# Altium PCB ESP32_LED_Matrix_Completed.PcbDoc (part 1 of 2)
Units mm, origin at the board's own origin, x right, y up, seen from the top; angles counter-clockwise.
Board outline 83 x 52.3 mm, 2 copper layers (Top Layer, Bottom Layer), stack 1.671 mm thick; 168 components, 98 nets, 513 pads, 551 vias.
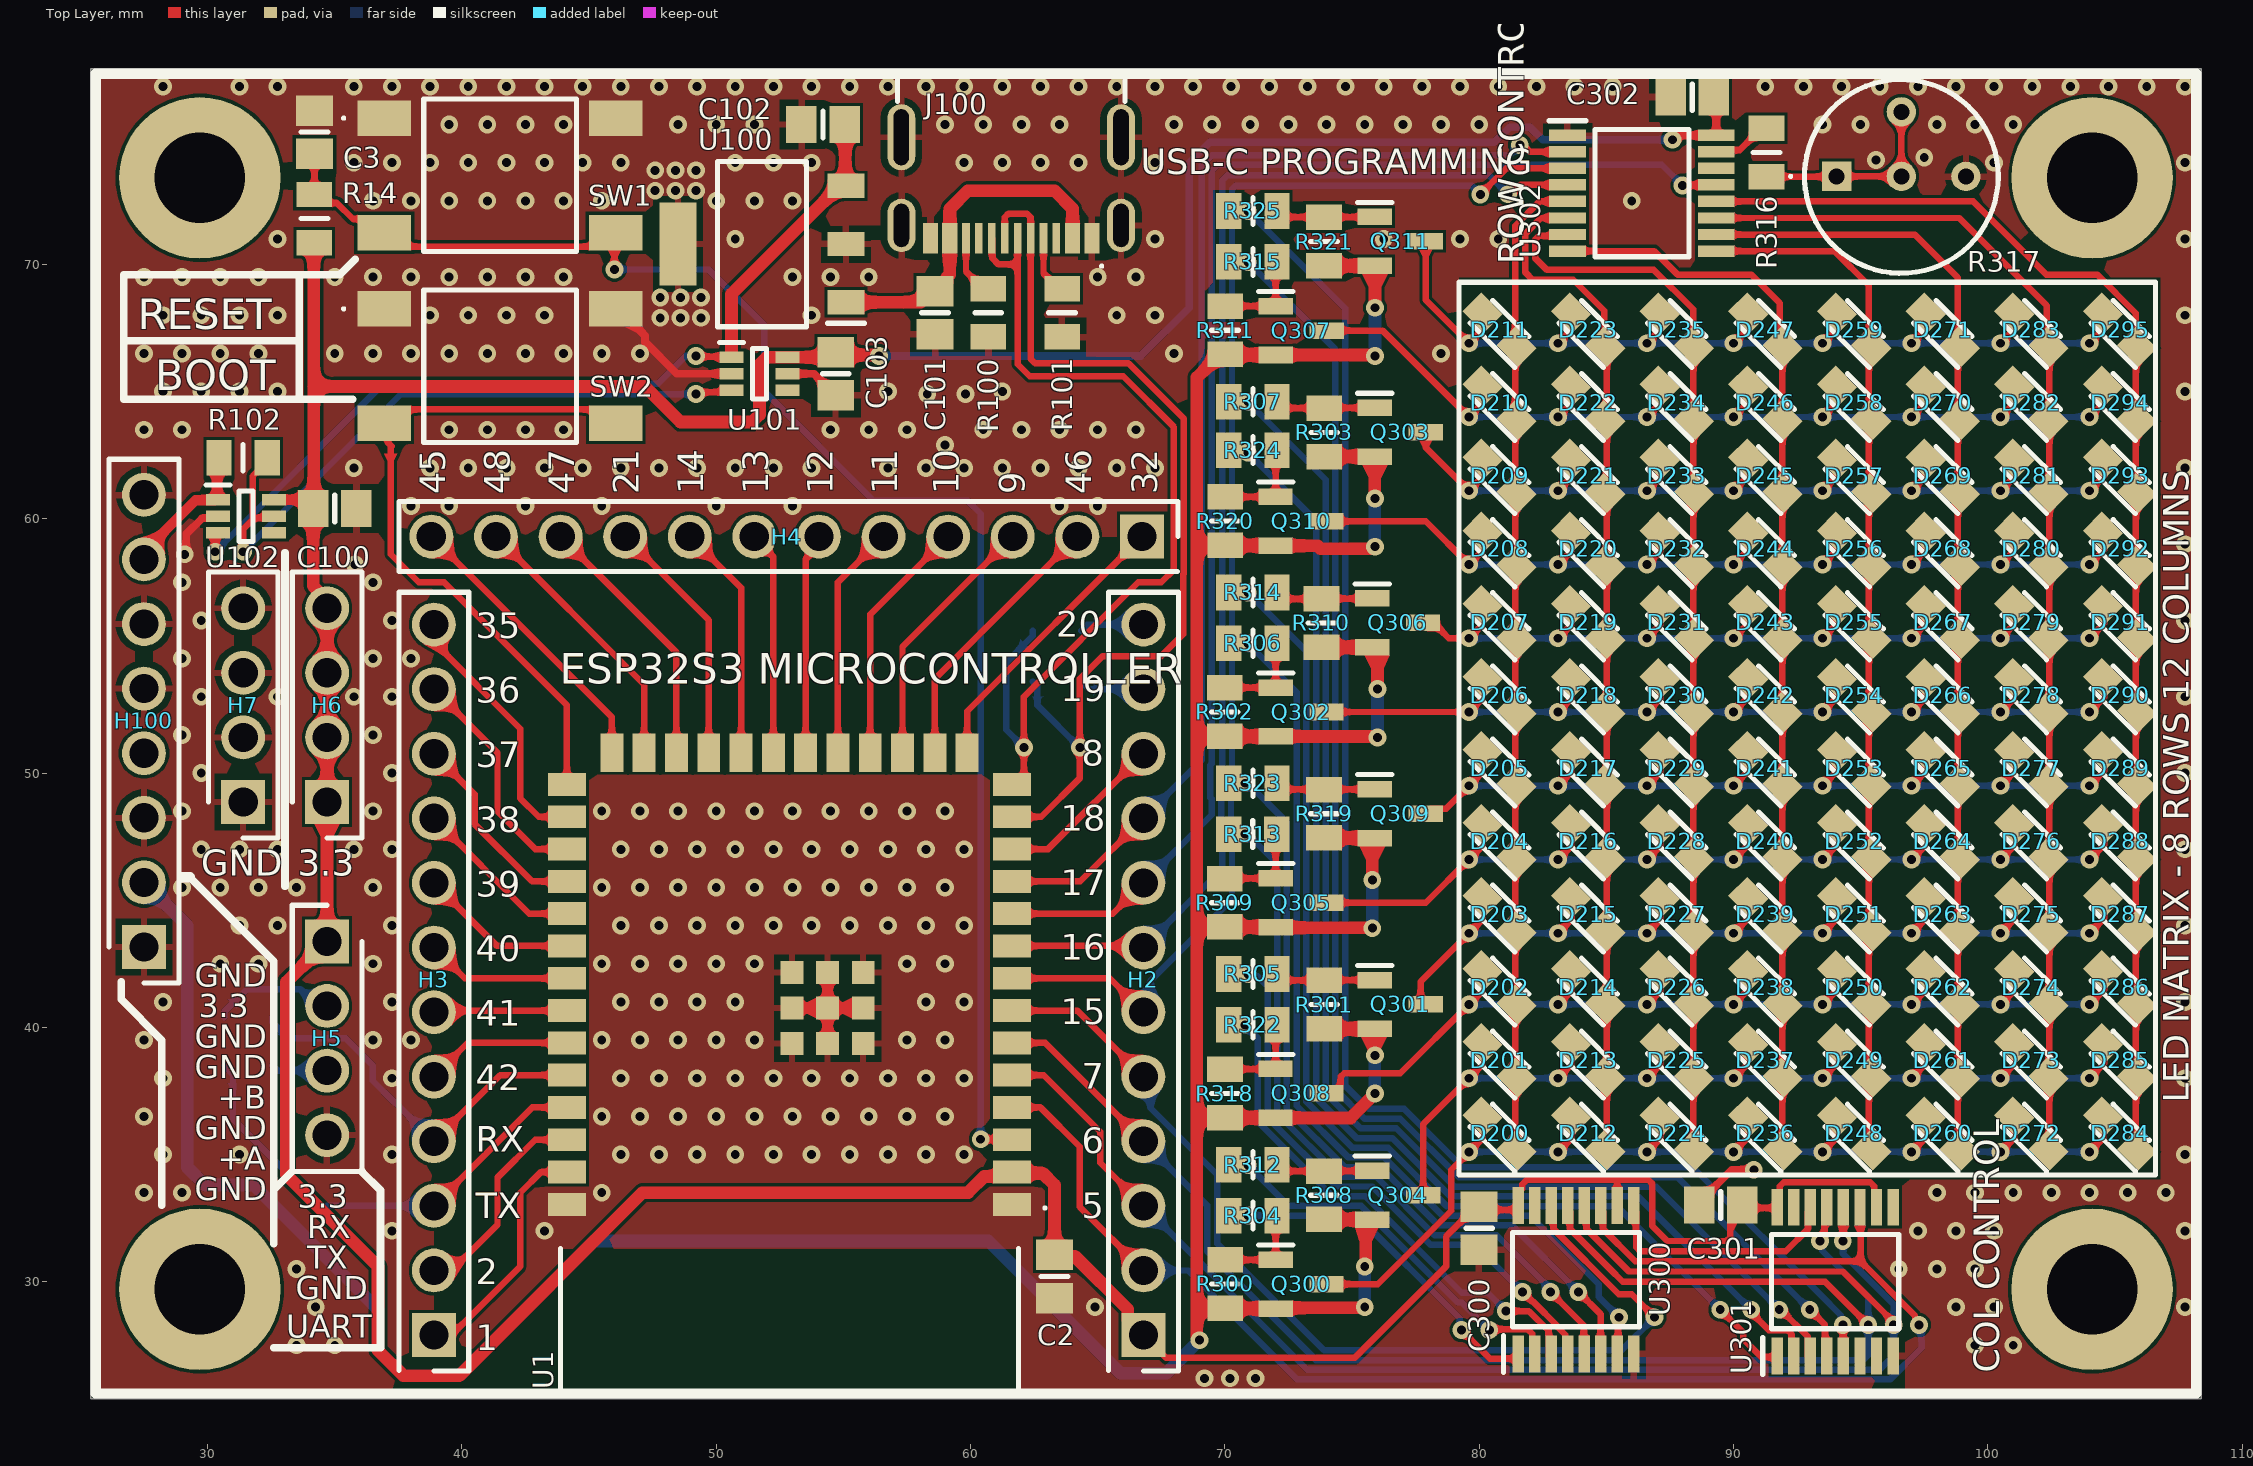
[diagram p0: Top Layer view]
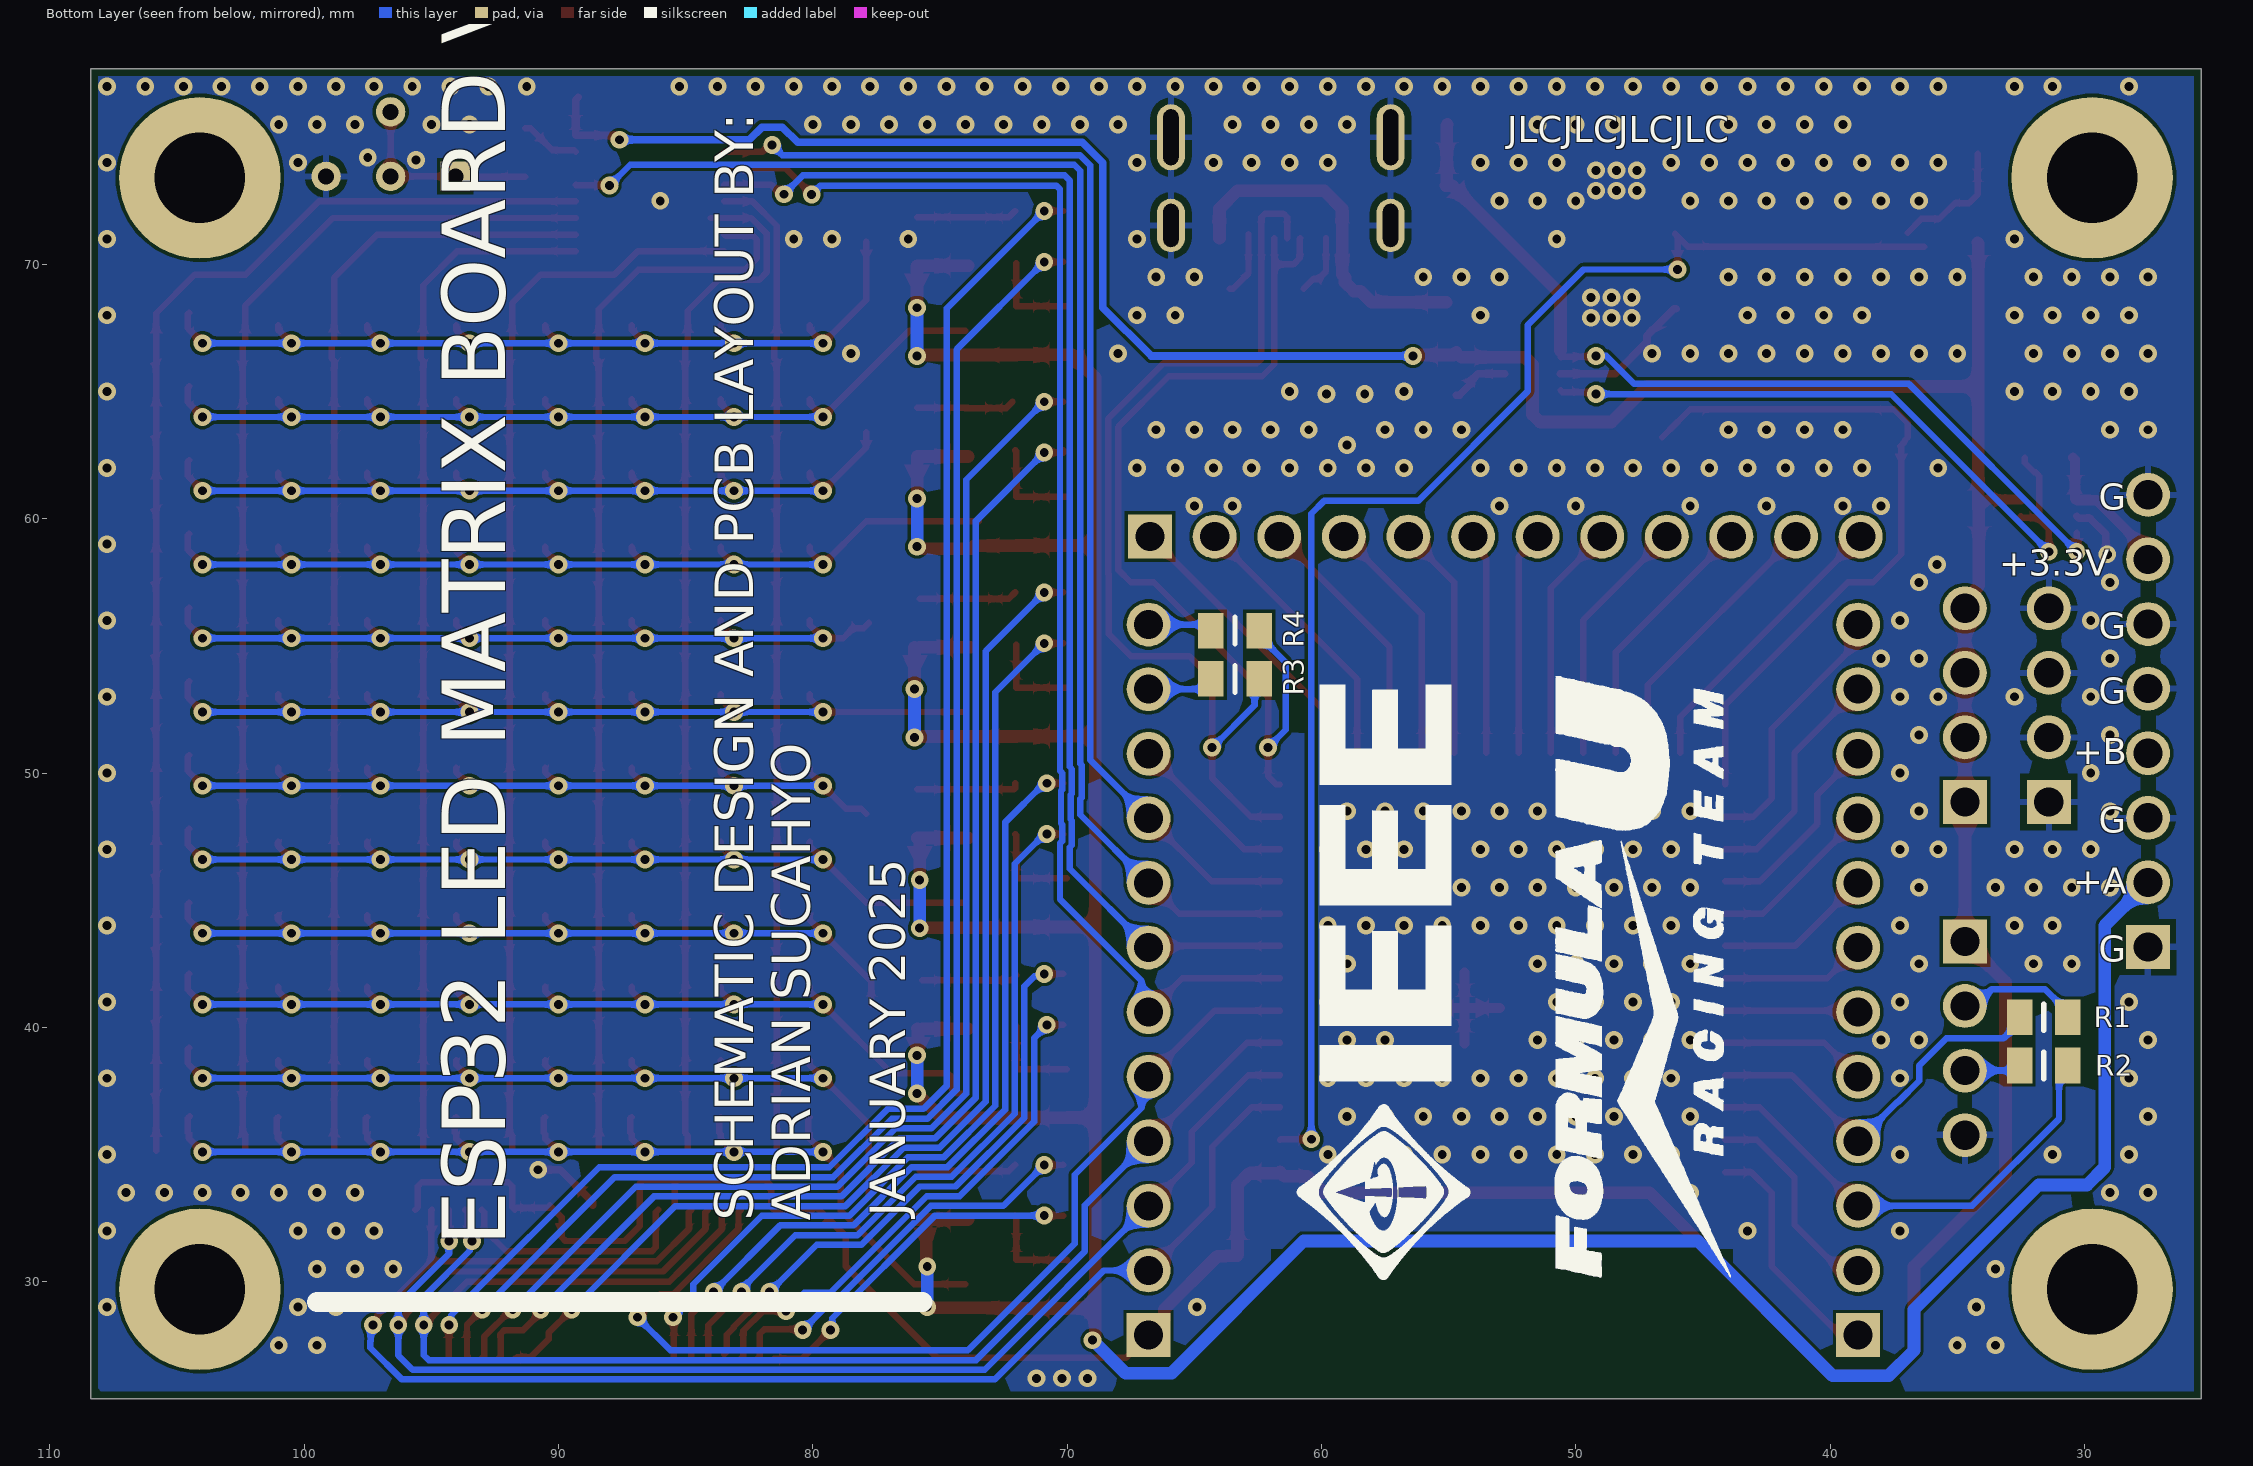
[diagram p1: Bottom Layer view, seen from below]
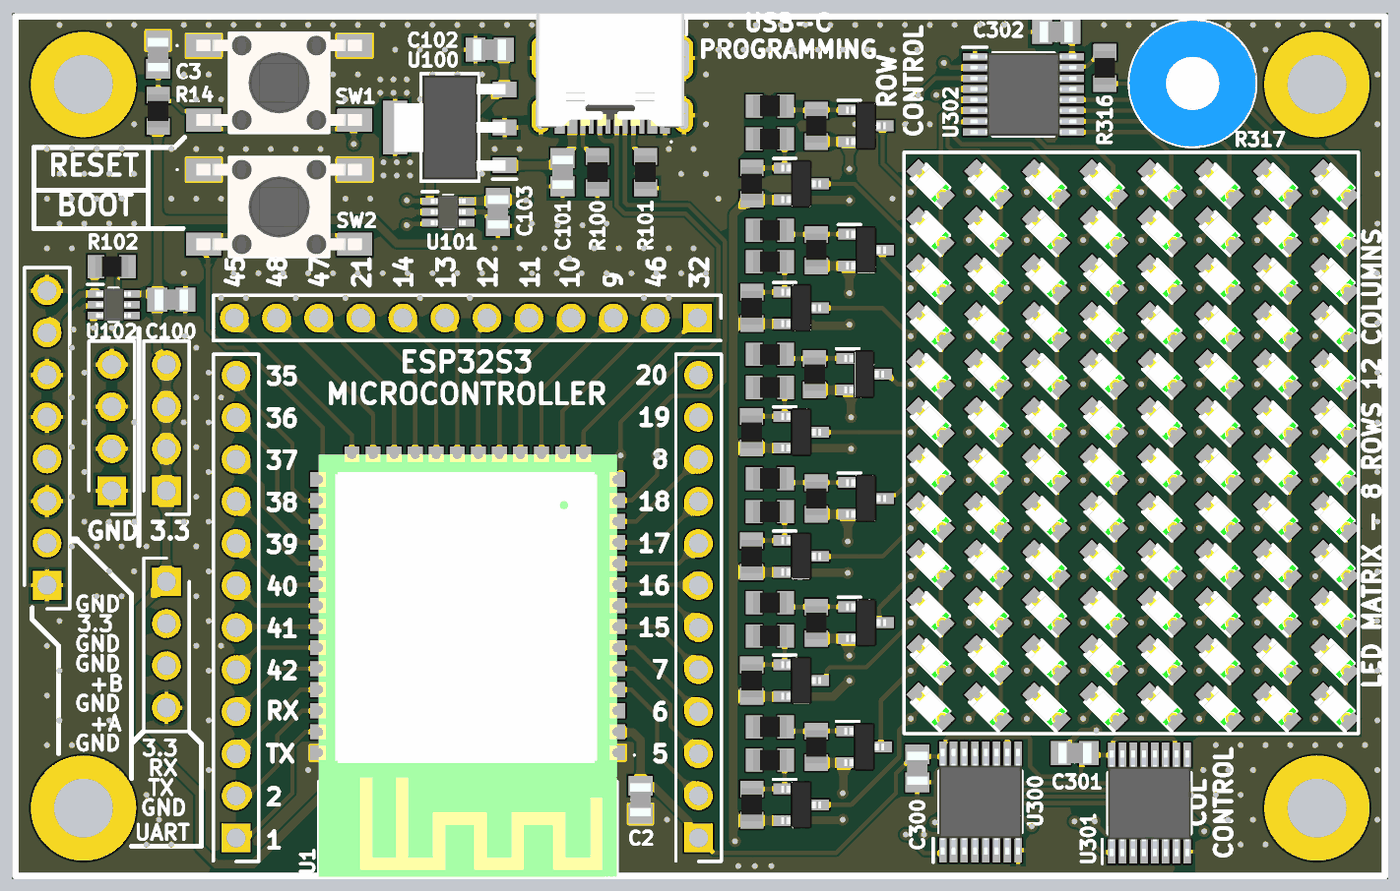
[diagram p3: 3D render of the assembled board from above, using the file's embedded part models]
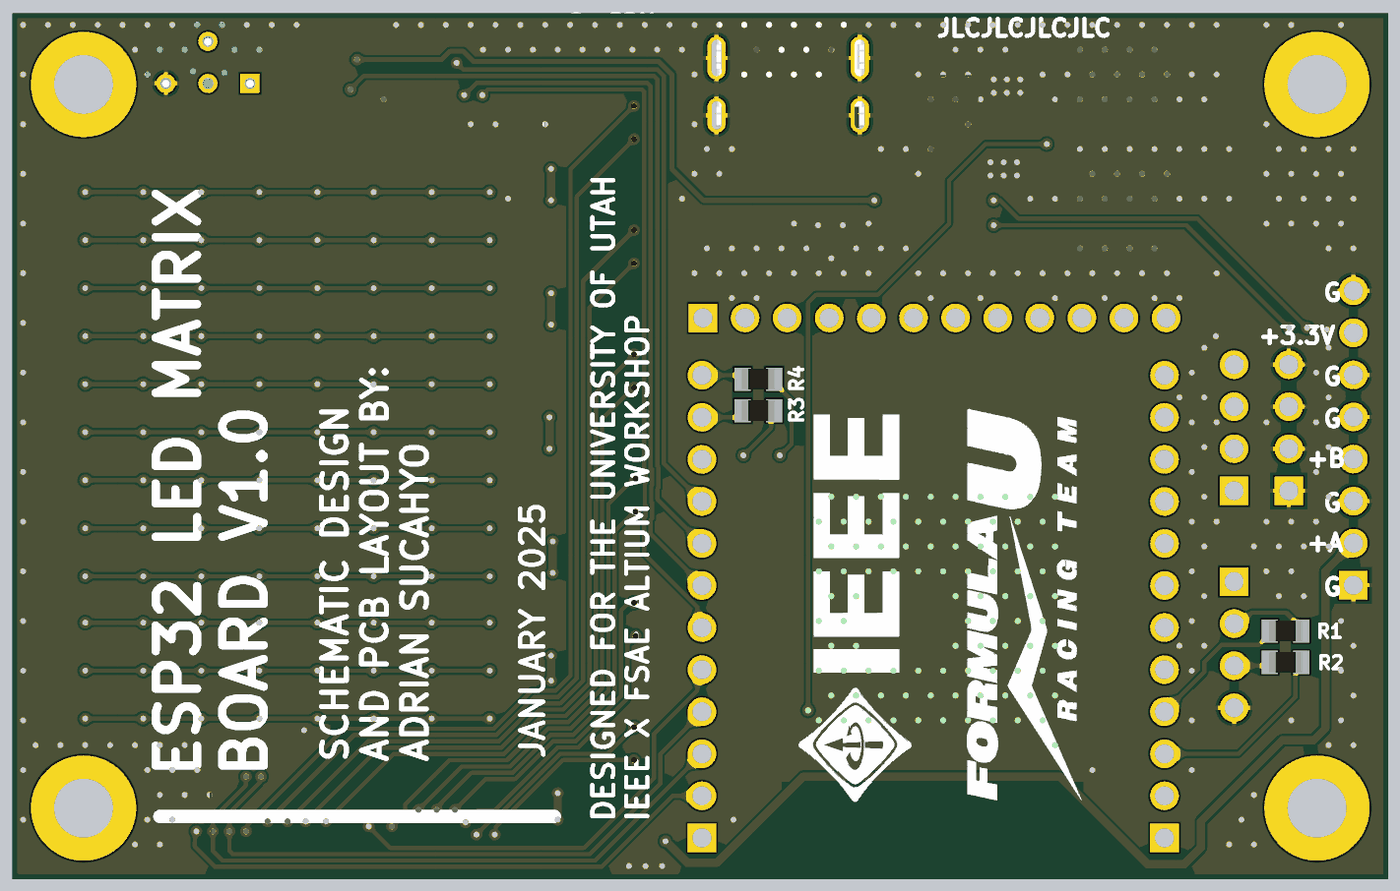
[diagram p4: 3D render of the assembled board from below, using the file's embedded part models]

## Layer stack, top to bottom
Top Solder: solder mask 0.0102, Solder Resist, Dk 3.5
Top Layer: signal copper 0.0356
Dielectric 1: dielectric 1.6, FR-4, Dk 4.8
Bottom Layer: signal copper 0.0356
Bottom Solder: solder mask 0.0102, Solder Resist, Dk 3.5

## Board outline
25.4,25.4 108.4,25.4 108.4,77.7 25.4,77.7

## Design rules (kind name [scope] priority, off if disabled: settings)
Clearance [All] p1: gap=0.127 ignorepadtopadclearanceinfootprint=TRUE
ComponentClearance [All] p1: gap=0 collisioncheckmode=3 verticalgap=0.05 showdistances=FALSE
DiffPairsRouting [All] p1: maxlimit=0.254 minlimit=0.127 mostfreqgap=0.254 toplayer_minwidth=0.1 toplayer_maxwidth=0.5 toplayer_prefwidth=0.381 bottomlayer_minwidth=0.1 bottomlayer_maxwidth=0.5 bottomlayer_prefwidth=0.381 maxuncoupledlength=12.7
HoleSize [All] p1: absolutevalues=TRUE maxlimit=15 minlimit=0.025 maxpercent=80.000 minpercent=20.000
MinimumSolderMaskSliver [All] p1: minsoldermaskwidth=0
PolygonConnect [All] p1: connectstyle=Relief reliefconductorwidth=0.254 reliefentries=4 polygonreliefangle="90 Angle" airgapwidth=0.254
RoutingVias [All] p1: holewidth=0.35 width=0.7 viastyle="Through Hole" minholewidth=0.3 minwidth=0.6 maxholewidth=1 maxwidth=2
SilkToSilkClearance [All] p1: silktosilkclearance=0
SilkToSolderMaskClearance [IsPad] p1: minsilkscreentomaskgap=0 clearancetoexposedcopper=TRUE
SolderMaskExpansion [All] p1: expansion=0.102 istentingtop=FALSE
SupplyNets "Schematic Supply Nets_9" [InNet('V_MCU')] p1: voltage=0.000
SupplyNets "Schematic Supply Nets_8" [InNet('VCC_2')] p2: voltage=0.000
SupplyNets "Schematic Supply Nets_7" [InNet('VCC_1')] p3: voltage=0.000
SupplyNets "Schematic Supply Nets_6" [InNet('GND')] p4: voltage=0.000
SupplyNets "Schematic Supply Nets_4" [InNet('+3.3')] p5: voltage=0.000
Width [All] p1: maxlimit=2 minlimit=0.1 preferedwidth=0.254
24 further rules are at their usual default settings.

## Classes and differential pairs
net class ROW[0..7]: ROW0 ROW1 ROW2 ROW3 ROW4 ROW5 ROW6 ROW7
net class COL_SIG[0..11]: COL_SIG0 COL_SIG1 COL_SIG2 COL_SIG3 COL_SIG4 COL_SIG5 COL_SIG6 COL_SIG7 COL_SIG8 COL_SIG9 COL_SIG10 COL_SIG11
net class COL[0..11]: COL0 COL1 COL2 COL3 COL4 COL5 COL6 COL7 COL8 COL9 COL10 COL11
component class "Power Supply": C100 C101 C102 C103 H100 J100 R100 R101 R102 U100 U101 U102
component class Designator: C300 C301 C302 Q300 Q301 Q302 Q303 Q304 Q305 Q306 Q307 Q308 Q309 Q310 Q311 R300 R301 R302 R303 R304 R305 R306 R307 R308 R309 R310 R311 R312 R313 R314 R315 R316 R317 R318 R319 R320 R321 R322 R323 R324 R325 U300 U301 U302
component class Microcontroller: C2 C3 H2 H3 H4 H5 H6 H7 R1 R2 R3 R4 R14 SW1 SW2 U1
differential pair USB_D: +USB_D_P -USB_D_N

## Components (designator, comment, footprint, x,y, rotation, side; value= is the part's Value field where it differs from the comment)
C2 "100n" CAP0805 63.3,30.2 r270 top
C3 "1u" CAP0805 34.2,75.2 r90 top
C100 "100n" CAP0805 35,60.4 r0 top
C101 "100n" CAP0805 58.6,68.1 r270 top
C102 "100n" CAP0805 54.2,75.5 r180 top
C103 "100n" CAP0805 54.7,65.7 r270 top
C300 "100n" CAP0805 80,32.1 r270 top
C301 "100n" CAP0805 89.498,33.017 r180 top
C302 "100n" CAP0805 88.38,76.577 r180 top
D200 "LED" LEDM2012X80N 80.8,35.827 r135 top
D201 "LED" LEDM2012X80N 80.8,38.7 r135 top
D202 "LED" LEDM2012X80N 80.8,41.573 r135 top
D203 "LED" LEDM2012X80N 80.8,44.446 r135 top
D204 "LED" LEDM2012X80N 80.8,47.319 r135 top
D205 "LED" LEDM2012X80N 80.8,50.192 r135 top
D206 "LED" LEDM2012X80N 80.8,53.065 r135 top
D207 "LED" LEDM2012X80N 80.8,55.939 r135 top
D208 "LED" LEDM2012X80N 80.8,58.812 r135 top
D209 "LED" LEDM2012X80N 80.8,61.685 r135 top
D210 "LED" LEDM2012X80N 80.8,64.558 r135 top
D211 "LED" LEDM2012X80N 80.8,67.431 r135 top
D212 "LED" LEDM2012X80N 84.286,35.827 r135 top
D213 "LED" LEDM2012X80N 84.286,38.7 r135 top
D214 "LED" LEDM2012X80N 84.286,41.573 r135 top
D215 "LED" LEDM2012X80N 84.286,44.446 r135 top
D216 "LED" LEDM2012X80N 84.286,47.319 r135 top
D217 "LED" LEDM2012X80N 84.286,50.192 r135 top
D218 "LED" LEDM2012X80N 84.286,53.065 r135 top
D219 "LED" LEDM2012X80N 84.286,55.939 r135 top
D220 "LED" LEDM2012X80N 84.286,58.812 r135 top
D221 "LED" LEDM2012X80N 84.286,61.685 r135 top
D222 "LED" LEDM2012X80N 84.286,64.558 r135 top
D223 "LED" LEDM2012X80N 84.286,67.431 r135 top
D224 "LED" LEDM2012X80N 87.771,35.827 r135 top
D225 "LED" LEDM2012X80N 87.771,38.7 r135 top
D226 "LED" LEDM2012X80N 87.771,41.573 r135 top
D227 "LED" LEDM2012X80N 87.771,44.446 r135 top
D228 "LED" LEDM2012X80N 87.771,47.319 r135 top
D229 "LED" LEDM2012X80N 87.771,50.192 r135 top
D230 "LED" LEDM2012X80N 87.771,53.065 r135 top
D231 "LED" LEDM2012X80N 87.771,55.939 r135 top
D232 "LED" LEDM2012X80N 87.771,58.812 r135 top
D233 "LED" LEDM2012X80N 87.771,61.685 r135 top
D234 "LED" LEDM2012X80N 87.771,64.558 r135 top
D235 "LED" LEDM2012X80N 87.771,67.431 r135 top
D236 "LED" LEDM2012X80N 91.257,35.827 r135 top
D237 "LED" LEDM2012X80N 91.257,38.7 r135 top
D238 "LED" LEDM2012X80N 91.257,41.573 r135 top
D239 "LED" LEDM2012X80N 91.257,44.446 r135 top
D240 "LED" LEDM2012X80N 91.257,47.319 r135 top
D241 "LED" LEDM2012X80N 91.257,50.192 r135 top
D242 "LED" LEDM2012X80N 91.257,53.065 r135 top
D243 "LED" LEDM2012X80N 91.257,55.939 r135 top
D244 "LED" LEDM2012X80N 91.257,58.812 r135 top
D245 "LED" LEDM2012X80N 91.257,61.685 r135 top
D246 "LED" LEDM2012X80N 91.257,64.558 r135 top
D247 "LED" LEDM2012X80N 91.257,67.431 r135 top
D248 "LED" LEDM2012X80N 94.743,35.827 r135 top
D249 "LED" LEDM2012X80N 94.743,38.7 r135 top
D250 "LED" LEDM2012X80N 94.743,41.573 r135 top
D251 "LED" LEDM2012X80N 94.743,44.446 r135 top
D252 "LED" LEDM2012X80N 94.743,47.319 r135 top
D253 "LED" LEDM2012X80N 94.743,50.192 r135 top
D254 "LED" LEDM2012X80N 94.743,53.065 r135 top
D255 "LED" LEDM2012X80N 94.743,55.939 r135 top
D256 "LED" LEDM2012X80N 94.743,58.812 r135 top
D257 "LED" LEDM2012X80N 94.743,61.685 r135 top